# Altium PCB ASR_USB.PcbDoc
Units mil, origin at the board's own origin, x right, y up, seen from the top; angles counter-clockwise.
Board outline 1250 x 550 mil, 4 copper layers (Top Layer, Layer 1, Layer 2, Bottom Layer), stack 23.756 mil thick; 67 components, 43 nets, 231 pads, 80 vias.
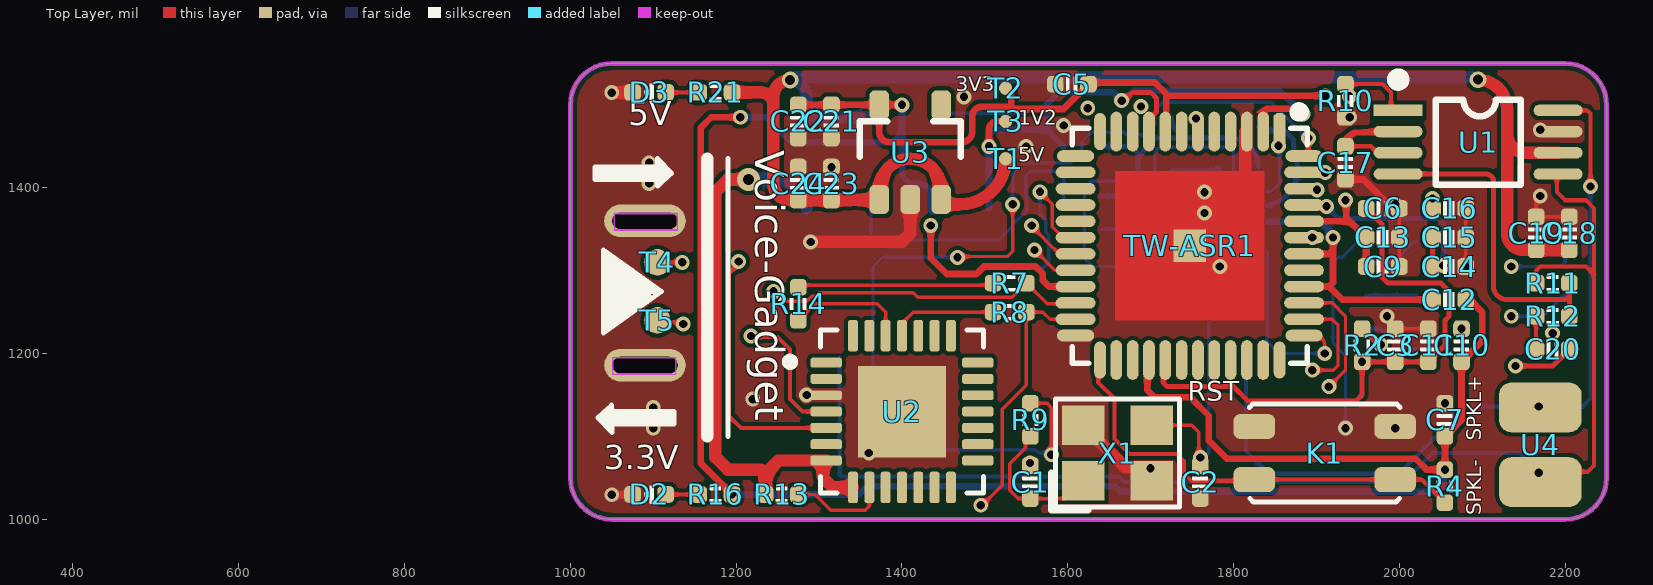
[diagram p0: Top Layer view]
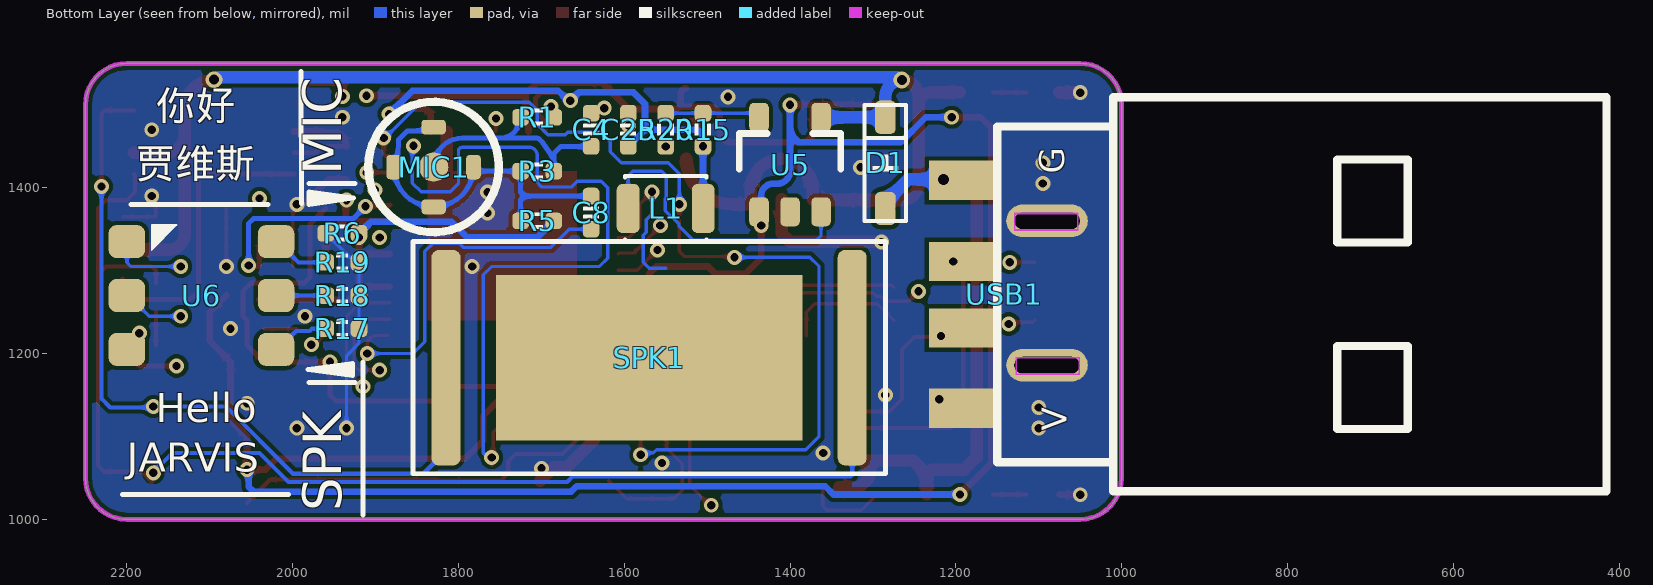
[diagram p1: Bottom Layer view, seen from below]
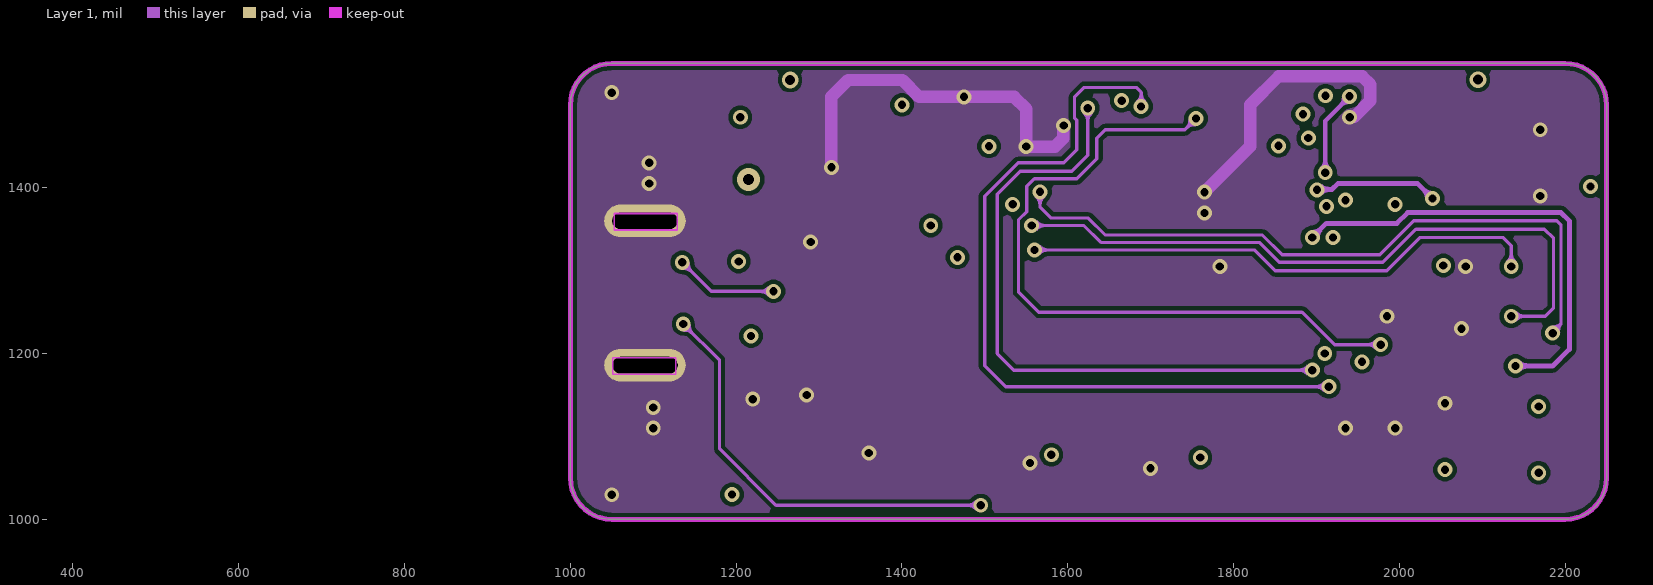
[diagram p2: Layer 1]
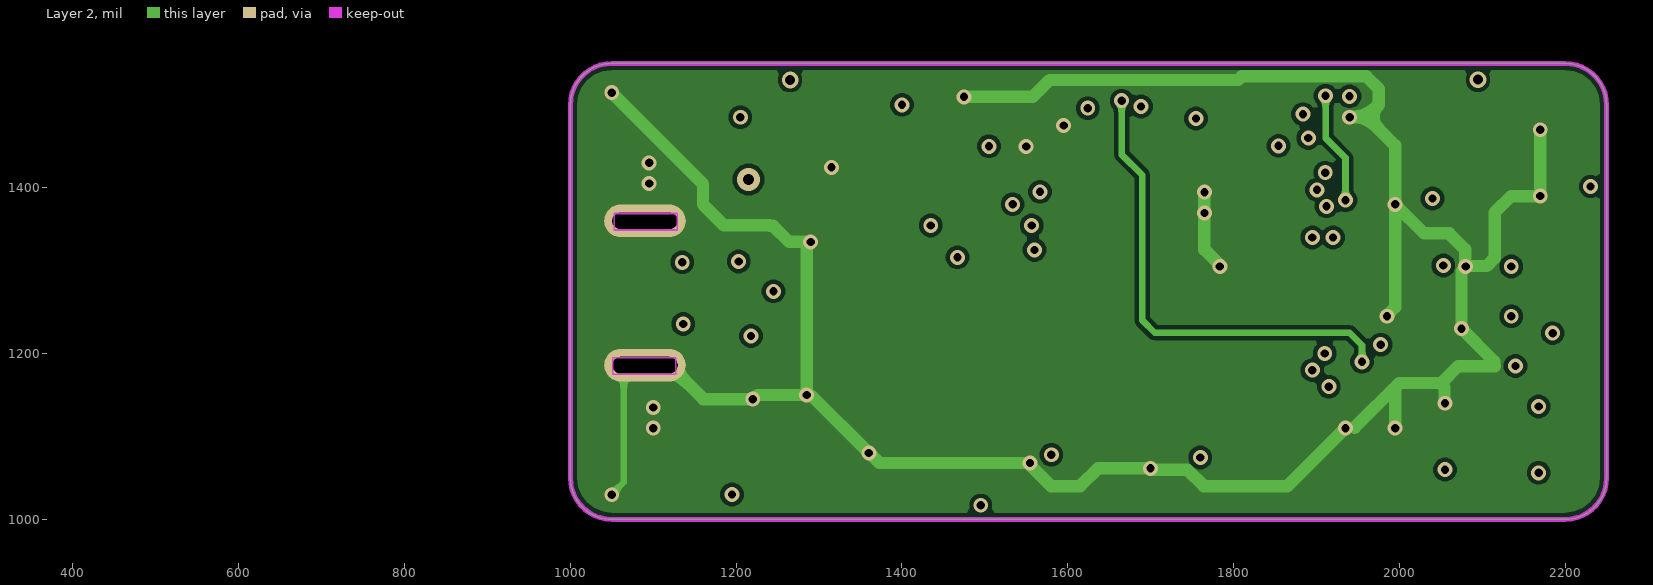
[diagram p3: Layer 2]
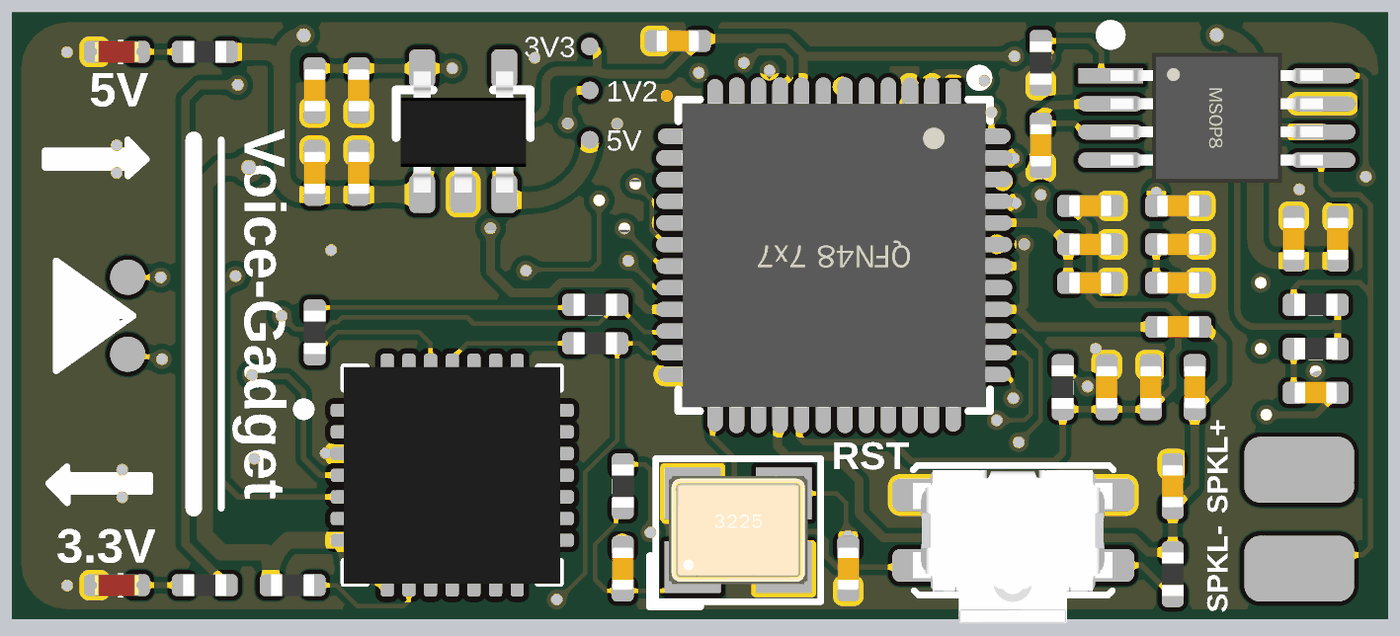
[diagram p4: 3D render of the assembled board from above, using the file's embedded part models]
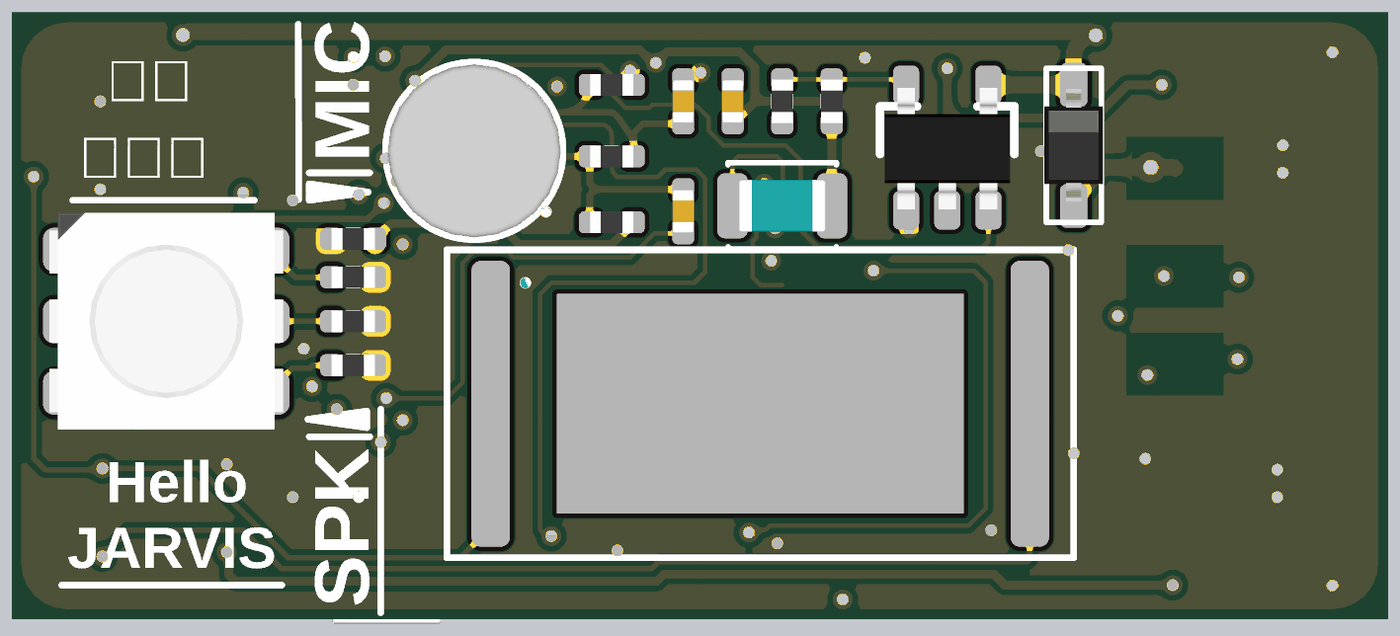
[diagram p5: 3D render of the assembled board from below, using the file's embedded part models]

## Layer stack, top to bottom
Top Solder: solder mask 0.4, Solder Resist, Dk 3.5
Top Layer: signal copper 1.4
Dielectric 2: prepreg 2.8, PP-006, Dk 4.1
Layer 1: signal copper 1.378
Dielectric 1: dielectric 12.6, FR-4, Dk 4.8
Layer 2: signal copper 1.378
Dielectric 3: prepreg 2.8, PP-006, Dk 4.1
Bottom Layer: signal copper 1.4
Bottom Solder: solder mask 0.4, Solder Resist, Dk 3.5

## Board outline
1000,1050 ccw(c1050,1050) 1050,1000 2200,1000 ccw(c2200,1050) 2250,1050 2250,1500 ccw(c2200,1500) 2200,1550 1050,1550 ccw(c1050,1500) 1000,1500

## Design rules (kind name [scope] priority, off if disabled: settings)
Clearance [All] p1: gap=5 ignorepadtopadclearanceinfootprint=FALSE
PlaneConnect [All] p1: planeconnectstyle=Direct reliefexpansion=20 reliefentries=4 reliefconductorwidth=10 reliefairgap=10
PolygonConnect [All] p1: connectstyle=Direct reliefconductorwidth=10 reliefentries=4 polygonreliefangle="90 Angle" airgapwidth=10
RoutingVias [All] p1: holewidth=28 width=50 viastyle="Through Hole" minholewidth=28 minwidth=50 maxholewidth=28 maxwidth=50
SolderMaskExpansion [All] p1: expansion=4 istentingtop=FALSE
Width [All] p1: maxlimit=25 minlimit=4 preferedwidth=8
29 further rules are at their usual default settings.

## Components (designator, comment, footprint, x,y, rotation, side; value= is the part's Value field where it differs from the comment)
C1 "22pF" CAP_0402 1555,1045 r270 top value=0.1u
C2 "22pF" CAP_0402 1760,1045 r90 top value=0.1u
C3 "100nF" CAP_0402 1995,1210 r270 top value=0.1u
C4 "100nF" CAP_0402 1640,1470 r90 bottom value=0.1u
C5 "100nF" CAP_0402 1605,1525 r0 top value=0.1u
C6 "100nF" CAP_0402 1980,1375 r180 top value=0.1u
C7 "10uF" CAP_0402 2055,1120 r270 top value=0.1u
C8 "100nF" CAP_0402 1640,1370 r270 bottom value=0.1u
C9 "100nF" CAP_0402 1980,1305 r0 top value=0.1u
C10 "100nF" CAP_0402 2075,1210 r90 top value=0.1u
C11 "100nF" CAP_0402 2035,1210 r90 top value=0.1u
C12 "4.7uF" CAP_0402 2060,1265 r180 top value=0.1u
C13 "100nF" CAP_0402 1980,1340 r0 top value=0.1u
C14 "4.7uF" CAP_0402 2060,1305 r180 top value=0.1u
C15 "100nF" CAP_0402 2060,1340 r180 top value=0.1u
C16 "4.7uF" CAP_0402 2060,1375 r180 top value=0.1u
C17 "1uF" CAP_0402 1935,1430 r270 top value=0.1u
C18 "100nF" CAP_0402 2205,1345 r90 top value=0.1u
C19 "10uF" CAP_0402 2165,1345 r90 top value=0.1u
C20 "100nF" CAP_0402 2185,1205 r0 top value=0.1u
C21 "100nF" CAP_0402 1315,1480 r270 top value=0.1u
C22 "10uF" CAP_0402 1275,1480 r270 top value=0.1u
C23 "4.7uF" CAP_0402 1315,1405 r270 top value=0.1u
C24 "4.7uF" CAP_0402 1275,1405 r90 top value=0.1u
C25 "4.7uF" CAP_0402 1595,1470 r90 bottom value=0.1u
D1 "二极管-5819W" SOD-323 1285,1430 r90 bottom
D2 "color?" LED_0402_RED 1095,1030 r180 top
D3 "color?" LED_0402_RED 1095,1515 r180 top
K1 "TACT 4P" ButtonTACT_3.5*3.55_90 1910,1080 r180 top value=3.4x3.5
L1 "2.2uH" 2520-L 1550,1375 r0 bottom
MIC1 "MIC" MIC-SMT 1830,1425 r180 bottom
R1 "2.2K" RES_0402 1705,1485 r180 bottom value=22R
R2 "2.2K" RES_0402 1955,1210 r90 top value=22R
R3 "10K" RES_0402 1705,1420 r180 bottom value=22R
R4 "470R" RES_0402 2055,1040 r90 top value=22R
R5 "2.2K" RES_0402 1705,1360 r0 bottom value=22R
R6 "0R" RES_0402 1940,1345 r180 bottom value=22R
R7 "330R" RES_0402 1530,1285 r0 top value=22R
R8 "330R" RES_0402 1530,1250 r0 top value=22R
R9 "470R" RES_0402 1555,1120 r270 top value=22R
R10 "10K" RES_0402 1935,1505 r90 top value=22R
R11 "4.7K" RES_0402 2185,1285 r0 top value=22R
R12 "4.7K" RES_0402 2185,1245 r0 top value=22R
R13 "10K" RES_0402 1255,1030 r180 top value=22R
R14 "200R" RES_0402 1275,1260 r90 top value=22R
R15 "22K" RES_0402 1505,1470 r270 bottom value=22R
R16 "2K" RES_0402 1175,1030 r0 top value=22R
R17 "2K" RES_0402 1940,1230 r180 bottom value=22R
R18 "2K" RES_0402 1940,1270 r180 bottom value=22R
R19 "2K" RES_0402 1940,1310 r180 bottom value=22R
R20 "22K" RES_0402 1550,1470 r90 bottom value=22R
R21 "5K" RES_0402 1175,1515 r0 top value=22R
SPK1 "SPK" SPK 1490,1185 r180 bottom
T1 "测试点" TEST_PT 1525,1435 r90 top
T2 "测试点" TEST_PT 1525,1520 r90 top
T3 "测试点" TEST_PT 1525,1480 r90 top
T4 "LinkPoint" TEST_PT_Point 1105,1310 r0 top
T5 "LinkPoint" TEST_PT_Point 1105,1240 r0 top
TW-ASR1 "TW-ASR" "QFN48 7X7_L" 1747.2,1330 r180 top
U1 "BL6281MM" MSOP8_M 2095,1455 r270 top
U2 "CP2102" QFN-28 1400,1130 r0 top value=Value
U3 "LN1134A332MR" SOT23-5 1410,1445 r90 top
U4 "SPK_Header" SPK_Header 2155,1090 r0 top
U5 "RY3408" SOT23-5 1400,1430 r90 bottom
U6 "RGB5050" RGB5050 2110,1270 r0 bottom
USB1 "USB" USB-plug1 415,1034 r0 bottom
X1 "12.288M/15pF" "OSC 3225-4P" 1660,1080 r0 top

## Footprints (in the part's own frame and the unit in brackets; to place one, negate y for a bottom-side part, rotate by r counter-clockwise, add the part's x,y. Pads: shape width x height; smd on the part's side, far side on the other; paste and mask are expansions set on the pad)
2520-L [mm]
  rrect50% 0.7x1.5 smd: 1(-1.15,0) 2(1.15,0)
  silkscreen extent -1.25,-1 1.25,1, body extent -1,-0.6 1,0.6, height 0.92
ButtonTACT_3.5*3.55_90 [mil]
  rrect50% 50x30 smd: 1(-85,32) 2(-85,-32) 3(85,32) 4(85,-32)
  silkscreen extent -91,-59 91,59, body extent -90,-55 91,85, height 56
CAP_0402 [mil]
  rrect50% 20x20 smd: 1(-20,0) 2(20,0)
  silkscreen extent -7,-9 7,9, body extent -20,-10 20,10, height 20
LED_0402_RED [mil]
  rrect50% 20x20 smd: 1(-20,0) 2(20,0)
  silkscreen extent -6,-10 6,10, body extent -20,-10 20,10, height 18
MIC-SMT [mm]
  rrect50% 0.45x0.75 smd: 1(-1.223,0) 1(1.223,0)
  rrect50% 0.75x0.45 smd: 1(0,-1.223) 1(0,1.223)
  round 0.9 smd: 2(0,0)
  silkscreen extent -2,-2 2,2, body extent -2,-2 2,2, height 1.35
MSOP8_M [mm] "塑封体长3mm，宽3mm，脚距0.65"
  rect 0.35x1.5 smd: 1(-0.975,-2.45)
  oval 0.35x1.5 smd: 2(-0.325,-2.45) 3(0.325,-2.45) 4(0.975,-2.45) 5(0.975,2.45) 6(0.325,2.45) 7(-0.325,2.45) 8(-0.975,2.45)
  silkscreen extent -2.07,-2.6 1.3,1.3, body extent -1.5,-2.45 1.5,2.45, height 0.95
"OSC 3225-4P" [mm] "3.2*2.5*0.7mm(长宽高)                         淘宝ID:黄晶宝石"
  rect 1.3x1.2 smd: 1(-1.05,-0.85) 2(1.05,-0.85) 3(1.05,0.85) 4(-1.05,0.85)
  silkscreen extent -2.03,-1.75 1.91,1.65, body extent -1.6,-1.25 1.6,1.25, height 0.7
"QFN48 7X7_L" [mm] "48脚，长x宽x高：7x7x1mm，脚距：0.5mm"
  oct 0.356x1.143 smd: 1(-2.75,-3.5)
  oval 0.356x1.219 smd: 2(-2.25,-3.5) 3(-1.75,-3.5) 4(-1.25,-3.5) 5(-0.75,-3.5) 6(-0.25,-3.5) 7(0.25,-3.5) 8(0.75,-3.5) 9(1.25,-3.5) 10(1.75,-3.5) 11(2.25,-3.5) 26(2.25,3.5) 27(1.75,3.5) 28(1.25,3.5) 29(0.75,3.5) 30(0.25,3.5) 31(-0.25,3.5) 32(-0.75,3.5) 33(-1.25,3.5) 34(-1.75,3.5) 35(-2.25,3.5)
  oval 0.356x1.143 smd: 12(2.75,-3.5) 25(2.75,3.5) 36(-2.75,3.5)
  oval 1.143x0.356 smd: 13(3.5,-2.75) 24(3.5,2.75) 37(-3.5,2.75) 48(-3.5,-2.75)
  oval 1.219x0.356 smd: 14(3.5,-2.25) 15(3.5,-1.75) 16(3.5,-1.25) 17(3.5,-0.75) 18(3.5,-0.25) 19(3.5,0.25) 20(3.5,0.75) 21(3.5,1.25) 22(3.5,1.75) 23(3.5,2.25) 38(-3.5,2.25) 39(-3.5,1.75) 40(-3.5,1.25) 41(-3.5,0.75) 42(-3.5,0.25) 43(-3.5,-0.25) 44(-3.5,-0.75) 45(-3.5,-1.25) 46(-3.5,-1.75) 47(-3.5,-2.25)
  rect 1x1 smd mask+0.051: 49(0,0)
  Top Layer region: -2.286,2.286 2.286,2.286 2.286,-2.286 -2.286,-2.286 -2.286,-2.159
  silkscreen extent -3.6,-4.25 3.6,3.6, body extent -3.51,-3.51 3.51,3.51, height 0.95
QFN-28 [mil]
  rrect50% 38x12 smd mask+5: 1(-91.5,59.06) 2(-91.5,39.37) 3(-91.5,19.68) 4(-91.5,0) 5(-91.5,-19.68) 6(-91.5,-39.37) 7(-91.5,-59.06) 15(91.5,-59.06) 16(91.5,-39.37) 17(91.5,-19.68) 18(91.5,0) 19(91.5,19.68) 20(91.5,39.37) 21(91.5,59.06)
  rrect50% 12x38 smd mask+5: 8(-59.06,-91.5) 9(-39.37,-91.5) 10(-19.68,-91.5) 11(0,-91.5) 12(19.68,-91.5) 13(39.37,-91.5) 14(59.06,-91.5) 22(59.06,91.5) 23(39.37,91.5) 24(19.68,91.5) 25(0,91.5) 26(-19.68,91.5) 27(-39.37,91.5) 28(-59.06,91.5)
  rect 106.3x110.24 smd: 29(0,0)
  silkscreen extent -140,-98 98,98, body extent -98,-98 98,98, height 35
RES_0402 [mil]
  rrect50% 20x20 smd: 1(-20,0) 2(20,0)
  silkscreen extent -7,-10 7,10, body extent -20,-10 20,10, height 14
RGB5050 [mil]
  rrect50% 44x40 smd: 1(-90,65) 2(90,65) 3(-90,0) 4(90,0) 5(-90,-65) 6(90,-65)
  silkscreen extent 30,-85 60,-55, body extent -106,-98 106,98, height 69
SOD-323 [mil]
  rrect50% 40x25 smd: 1(-55,0) 2(55,0)
  silkscreen extent -70,-25 70,25, body extent -51,-27 51,27, height 45
SOT23-5 [mm] "SOT23, 3-Leads, Body 3.1x3.0mm (max), Pitch 0.95mm, IPC Medium Density"
  rrect50% 0.889x0.6 smd: 1(-1.5,0.95) 2(-1.5,0) 3(-1.5,-0.95) 4(1.396,-0.95) 5(1.396,0.95)
  silkscreen extent -0.2,-1.55 0.9,1.55, body extent -1.48,-1.45 1.32,1.45, height 1.2
SPK [mil]
  rrect50% 35x260 smd: 1(-325,10) 2(165,10)
  rect 370x200 smd: ""(-80,10)
  silkscreen extent -365,-130 205,150, body extent -365,-130 205,150, height 120
SPK_Header [mil]
  rrect50% 100x60 smd: 1(15,45) 2(15,-45)
TEST_PT [mil]
  rrect100% 16x16 smd: 0(0,0.01)
TEST_PT_Point [mil]
  rrect100% 32x32 smd rot 60: 0(0,0.01)
USB-plug1 [mm]
  rect 2x1.2 smd: 1(19.761,-9.525) 2(19.761,-7.036) 3(19.761,-5.004) 4(19.761,-2.54)
  oval 2.5x1 hole 0.5 slot 2 at 0 deg: 4(17.145,-8.28) 4(17.145,-3.861)
  Keep-Out Layer lines w0.051: 16.154,-3.581 16.383,-3.581 17.932,-3.581 18.085,-3.581 18.085,-4.089 16.154,-4.089 16.154,-3.581 ; 16.205,-8.001 16.434,-8.001 17.983,-8.001 18.136,-8.001 18.136,-8.509 16.205,-8.509 16.205,-8.001
  silkscreen extent 0,-12.06 18.67,0, body extent 0.21,-12.08 20.21,-0.08, height 2.22

## Part data
C1 C2 C3 C4 C5 C6 C7 C8 C9 C10 C11 C12 C13 C14 C15 C16 C17 C18 C19 C20 C21 C22 C23 C24 C25: library part CAP-0402, "Capacitor"
D1: "40V"
D2 D3: library part LED_0402, "LED", Type=0402
K1: library part ButtonTACT, "Button", Type="TACT 4P"
L1: library part 电感-2520, "磁珠"
R1 R2 R3 R4 R5 R6 R7 R8 R9 R10 R11 R12 R13 R14 R15 R16 R17 R18 R19 R20 R21: library part RES-0402, "Resistor"
SPK1: library part 扬声器(喇叭)
U2: "USB转TTL", MFG #1="SILICON LABS", PART DESC="SINGLE-CHIP USB TO UART BRIDGE, QFN28, RoHS.", PART NUMBER=CP2102, RefDes=RefDes, Type=DEV
USB1: library part USB公头
X1: library part XTAL-4P, "4脚无源晶振", BOM名称=4脚无源晶振, 学习资源=https://shop463601444.taobao.com, 版权归属="封装库来自淘宝卖家 ID：黄晶宝石"

## Via types
v1: diameter 18, hole 10, Top Layer to Bottom Layer, tented both sides, 77 vias
v2: diameter 20, hole 12, Top Layer to Bottom Layer, tented both sides, 2 vias
v3: diameter 28, hole 13, Top Layer to Bottom Layer, tented both sides, 1 vias

## Nets (pads, with @x,y where several pads share a name; then routed paths per layer and width w, separated by ;. In a path a pad name is that pad's centre, name@x,y a point inside that pad or via, vN(x,y) a via of type N, cw(c..) or ccw(c..) an arc to the next point about the centre after c; other vN are vias at no path point)
1V2: C3.2 C6.2 C11.1 C25.1 L1.1 R2.1 R15.2 T3.0 TW-ASR1.2 TW-ASR1.9 TW-ASR1.29 | length 2019.9
  Top Layer w6: v1(1665,1505) 1668.25,1505 1678.25,1515 1700,1515 1707,1508 1707,1491.8 1695.79,1480.59 TW-ASR1.9@1695.79,1467.8 ; TW-ASR1.29@1715.47,1192.2 1715.47,1164.61 1720,1160.09 1799.91,1160.09 1817,1143 1948,1143 1955,1150 v1(1955,1190) C3.2 C11.1 2055,1210 2055,1240 2060,1245 2060,1275 2050,1285 1986,1285 1979,1292 1979,1356 C6.2
  Top Layer w8: v1(1505,1450) 1505,1470 cw(c1515,1470) 1515,1480 T3.0 ; TW-ASR1.2@1833.58,1467.8 1833.58,1486.19 cw(c1842.91,1486.19) 1842.91,1495.51 1879.49,1495.51 cw(c1879.49,1490) v1@1885,1490
  Layer 2 w8: v1(1665,1505) 1665,1439.98 1690,1414.98 1690,1240 1705,1225 1940,1225 1955,1210 v1(1955,1190)
  Bottom Layer w8: L1.1 1505,1375 v1(1505,1450) 1505,1460 cw(c1515,1460) 1515,1470 1575,1470 ; C25.1 1594.54,1450 1577,1467.54 1577,1468 1575,1470 ; v1(1883.76,1488.76) 1855.53,1516.99 1679.7,1516.99 1667.71,1505 v1(1665,1505) 1655,1515 1588.79,1515 1575,1501.21 1575,1470
3V3: C5.2 C7.2 C9.1 C10.1 C12.1 C13.1 C21.1 C22.1 R4.2 R16.2 T2.0 TW-ASR1.8 TW-ASR1.21 TW-ASR1.28 TW-ASR1.44 U3.5 U5.1 | length 3804.1
  Top Layer w8: v1(1195,1030) 1157.5,1067.5 1157.5,1472.5 1170,1485 v1(1205,1485) ; C22.1 C21.1 1372.6,1500 U3.5 1372.6,1467.4 ccw(c1385,1467.4) 1385,1455 1471.83,1455 ccw(c1471.83,1468.17) 1485,1468.17 1485,1486.58 cw(c1495.94,1486.58) 1495.94,1497.52 1531.68,1497.52 ; U3.5@1372.63,1499.97 v1(1400,1500) ; v1(1434.73,1354.57) 1434.73,1315.27 1454,1296 1489.79,1296 1498.79,1305 1561.21,1305 1570,1296.21 1570,1288.28 1577.49,1280.79 TW-ASR1.21@1607.2,1280.79 ; T2.0 cw(c1524.99,1513.31) 1531.68,1513.31 1531.68,1497.52 ; TW-ASR1.28@1695.79,1192.2 1695.79,1156.3 1705,1147.09 1747.91,1147.09 1770,1125 1770,1095 1792,1073 2019.75,1073 2032.75,1060 v1(2055,1060) C7.2 2075,1120 C10.1 2100,1215 2100,1250 C12.1@2080,1270 ; TW-ASR1.8@1715.47,1467.8 1715.47,1481.09 1719,1484.62 1719,1508.34 ; TW-ASR1.44@1882.8,1359.53 1940.47,1359.53 ; v1(1911.03,1510.99) 1721.66,1510.99 1719,1508.34 ; v1(1935,1385) 1936,1384 1936,1364 1940.47,1359.53 ; C9.1 C13.1 1940.47,1359.53 ; 1531.68,1497.52 ccw(c1540,1510) 1540,1495 1595,1495 1627,1527 1704.97,1527 1719,1512.97 1719,1508.34
  Layer 2 w8: v1(1911.03,1510.99) 1911.03,1459.98 1935,1436.01 v1(1935,1385)
  Bottom Layer w8: v1(1195,1030) 1347.58,1030 1357.58,1040 1657.49,1040 1663.99,1033.5 2047.24,1033.5 2053.09,1039.35 2053.09,1058.09 v1(2055,1060) ; v1(1205,1485) 1236.35,1485 1266.35,1455 1390,1455 1400,1465 ; v1(1400,1500) 1400,1465 ; U5.1 cw(c1437.4,1373.35) 1435,1373.35 1435,1390 ccw(c1420,1390) 1420,1405 1415,1405 cw(c1415,1420) 1400,1420 1400,1465
5V: C18.1 C19.1 C23.2 C24.1 D1.2 R21.2 T1.0 U1.6 U3.1 U3.3 U5.4 | length 1919.7
  Top Layer w15: R21.2 1230,1515 cw(c1230,1500) 1245,1500 ; v2(1265,1530) ccw(c1265,1510) 1245,1510 1245,1500 ; T1.0 cw(c1469.99,1435) 1469.99,1380 1451.71,1380 U3.3 1447.4,1397.6 ccw(c1410,1397.6) 1410,1435 ccw(c1410,1397.6) 1372.6,1397.6 U3.1 1372.13,1385.47 1315.47,1385.47 C23.2 C24.1 1265,1385 cw(c1265,1405) 1245,1405 1245,1500 ; v2@2095,1530 cw(c2095,1495) 2130,1495 2130,1465 ; U1.6 2152.8,1442.2 cw(c2152.8,1465) 2130,1465 ; C18.1 C19.1 2150,1325 cw(c2150,1345) 2130,1345 2130,1465
  Bottom Layer w15: U5.4 1362.6,1485 D1.2 1285,1510 ccw(c1265,1510) v2(1265,1530) 1266.35,1530 1269.85,1533.49 2090.36,1533.49 2093.5,1530.35 v2(2094.86,1530.35)
AGND: C12.2 R5.1 R6.2 TW-ASR1.40 TW-ASR1.42 | length 525.7
  Top Layer w8: TW-ASR1.40@1882.8,1280.79 1915.31,1280.79 ; TW-ASR1.42@1882.8,1320.16 1915.16,1320.16 1920,1325 ; v1(1920,1340) 1920,1325 ; C12.2 1931.1,1265 1915.31,1280.79 ; 1915.31,1280.79 1920,1285.47 1920,1325
  Bottom Layer w8: R5.1 1705,1340 1789.34,1340 1808.33,1358.99 1905.47,1358.99 1920,1344.46 v1(1920,1340)
B: TW-ASR1.18 U6.2 | length 1023
  Top Layer w4: v1(1566.5,1395) 1581.33,1380.17 1581.33,1368.65 1581.33,1368.6 1581.17,1356.39 1581.17,1353.08 1594.41,1339.84 TW-ASR1.18@1607.2,1339.84
  Layer 1 w4: v1(1566.5,1395) 1566.5,1376.97 1580,1363.46 1624.54,1363.46 1645,1343 1834.73,1343 1858.73,1319 1976.27,1319 2017.27,1360 2190,1360 2195,1355 2195,1235.74 2184.88,1225.62 v1(2184.88,1224.65)
  Bottom Layer w4: 1550,1303 1570,1303 1577,1310 1577,1342.69 1573.5,1346.19 1573.5,1361.5 1566.5,1368.5 v1(1566.5,1395)
G: TW-ASR1.20 U6.6 | length 780.5
  Top Layer w4: v1(1560,1325) 1584.53,1300.47 TW-ASR1.20@1607.2,1300.47
  Layer 1 w4: v1(1560,1325) 1825,1325 1850,1300 1985,1300 2025,1340 2125,1340 2135,1330 v1(2135,1305)
  Bottom Layer w4: v1(2135,1305) 2195,1305 2200,1310 U6.6
GND: C1.1 C2.1 C3.1 C5.1 C6.1 C7.1 C9.2 C10.2 C11.2 C13.2 C14.1 C15.1 C16.1 C17.2 C18.2 C19.2 C21.2 C22.2 C23.1 C24.2 C25.2 D2.2 D3.2 K1.2 K1.4 R6.1 R10.1 R17.2 R18.2 R19.2 R20.1 TW-ASR1.3 TW-ASR1.24 TW-ASR1.49 U1.7 U2.3 U2.29 U3.2 USB1.4 X1.2 X1.4 | length 5233.2
  Top Layer w4: C3.1 C11.2 ; C9.2 C13.2 C6.1 ; v1(2080,1305) C15.1 C16.1 ; v1(2170,1390) 2165,1385 C19.2 C18.2
  Top Layer w8: v1(1049.88,1029.65) 1050.06,1029.82 1074.82,1029.82 D2.2 ; C17.2 1956.92,1410 1986.54,1380.38 1994.62,1380.38 v1(1995,1380)
  Top Layer w15: v1(1049.88,1514.65) 1050.06,1514.82 1074.82,1514.82 D3.2 ; v1(1289.88,1334.65) 1399.65,1334.65 1410,1345 U3.2 ; X1.4 1620.63,1113.46 1636.75,1097.34 1636.75,1095.34 1669.43,1062.66 1685.22,1062.66 X1.2 ; TW-ASR1.49@1745,1330 1757.19,1342.19 1757.19,1361.14 1764.88,1368.83 v1(1764.88,1369.65) ; v1(1764.88,1394.65) 1765.46,1395.22 1795.22,1395.22 1813.9,1413.9 TW-ASR1.3@1813.9,1467.8
  Layer 1 w4: v1(1549.88,1449.65) v1@1550,1449.76
  Layer 1 w15: v1(1314.88,1424.65) 1314.88,1509.88 1335,1530 1400.41,1530 1420.76,1509.65 v1(1474.88,1509.65) 1535.35,1509.65 1550,1495 v1@1550,1449.76 ; v1(1549.88,1449.65) 1584.65,1449.65 1594.43,1459.43 1594.43,1474.43 v1(1595,1475) ; v1(1764.88,1394.65) 1820,1449.76 1820,1500 1854.5,1534.5 1955,1534.5 1965,1524.5 1965,1505 1945.57,1485.57 1940.57,1485.57 v1(1940,1485)
  Layer 2 w8: v1(1049.88,1029.65) 1049.88,1030.16 1064.47,1044.75 1064.47,1171.51 1078.96,1186 USB1.4@1090,1186
  Layer 2 w15: v1(1049.88,1514.65) 1160,1404.53 1160,1380 1185.35,1354.65 1239.88,1354.65 1240.46,1354.07 1244.65,1354.07 1264.07,1334.65 v1(1289.88,1334.65) 1289.88,1333.83 1285,1328.95 v1(1285,1150) ; USB1.4@1090,1186 1119.53,1186 1160.53,1145 v1(1220,1145) 1220.81,1145 1225.81,1150 v1(1285,1150) ; v1(1474.88,1509.65) 1557.67,1509.65 1578.02,1530 1805.5,1530 1810,1534.5 1960,1534.5 1975,1519.5 1975,1500 1960.57,1485.57 ; v1(1554.46,1068) 1372.81,1068 1360.81,1080 v1(1360,1080) 1290.57,1149.43 1285.57,1149.43 v1(1285,1150) ; v1@1555,1065 1580,1040 1615,1040 1636.5,1061.5 v1(1699.88,1061.5) ; v1@1699.88,1059.65 1744.48,1059.65 1764.12,1040 1865,1040 v1(1935,1110) ; v1(1764.88,1394.65) 1764.88,1325.46 1782.93,1307.41 1782.93,1305.57 v1(1783.5,1305) ; v1(1940,1485) 1940.57,1485.57 1960.57,1485.57 ; 1946.01,1110.57 1999.88,1164.45 ; v1(1985,1245) 1985,1245.81 1995,1255.81 v1(1995,1380) ; v1(1995,1110) 1995,1158.75 1999.88,1163.64 1999.88,1164.45 ; v1(2055,1140) 2054.43,1140.57 2054.43,1159.09 2049.88,1163.64 2049.88,1164.45 ; v1(2170,1470) v1(2170,1390) 2135,1390 2115,1370 2115,1315 2105.57,1305.57 2080.57,1305.57 v1(2080,1305) ; 1960.57,1485.57 1995,1451.15 v1(1995,1380) ; v1(1995,1380) 2030,1345 2060,1345 2079.43,1325.57 2079.43,1305.57 v1(2080,1305) ; 1999.88,1164.45 2049.88,1164.45 ; 2049.88,1164.45 2050.69,1164.45 2070.89,1184.65 2114.88,1184.65 2114.31,1185.22 2114.31,1190.69 v1(2075,1230) 2075,1299.19 2080,1304.19 v1(2080,1305)
  Bottom Layer w4: v1(1935,1110) 1935,1197.63 1920,1212.63 R17.2 R18.2 R19.2 1926.15,1316.15 1931.15,1316.15 R6.1
  other v1: 1100,1110 1100,1135 1095,1405 1095,1430
HPOUT_L: C20.2 TW-ASR1.43 | length 628.1
  Top Layer w6: v1(2140,1185) 2185,1185 C20.2
  Layer 1 w6: v1(1895,1340) 1912,1357 1997,1357 2010,1370 2195,1370 2205,1360 2205,1205 2185,1185 v1(2140,1185)
MIC_L+: C4.1 MIC1.2 R1.1 R3.2 | length 286.4
  Bottom Layer w6: C4.1 1640.31,1449.69 1676.52,1449.69 1685,1441.21 1685,1435 ; R3.2 1685,1435 ; R1.1 ccw(c1750,1485) 1750,1460 ; MIC1.2 ccw(c1795,1425) 1795,1460 1750,1460 ; 1685,1435 1698.98,1455.1 1702.5,1458.61 cw(c1706.34,1454) 1706.3,1460 1750,1460
MIC_L-: C8.1 MIC1.1 R3.1 R5.2 | length 435.9
  Bottom Layer w6: C8.1 1720,1390 ; R5.2 1725,1385 1720,1390 ; MIC1.1@1830,1473.15 1840.33,1468.72 1861.76,1468.54 1872.31,1458 1872.31,1452.45 1873.72,1435.34 1878.15,1425 cw(c1830,1425) 1830,1376.85 cw(c1830,1425) 1781.85,1425 1776.85,1420 R3.1 1725,1395 1720,1390
MICBIAS: R1.2 TW-ASR1.39 | length 1086.1
  Top Layer w4: TW-ASR1.39@1882.8,1261.1 1918.9,1261.1 1935,1245 1935,1180 v1(1915,1160)
  Layer 1 w4: v1(1688.38,1498) 1688.66,1498.28 1688.66,1515 1682.66,1521 1620,1521 1608.11,1509.11 1608.11,1484.52 1611,1481.63 1611,1446 1595,1430 1540,1430 1500,1390 1500,1185 1525,1160 v1(1915,1160)
MICN_L: C8.2 TW-ASR1.37 | length 441.6
  Top Layer w4: TW-ASR1.37 1898.27,1221.73 cw(c1898.27,1210) 1910,1210 v1(1910,1200)
  Bottom Layer w4: C8.2 1666.62,1350 1688.62,1328 1794.31,1328 1799.31,1333 1830.69,1333 1840.5,1323.19 1840.5,1214.5 1855,1200 v1(1910,1200)
MICP_L: C4.2 TW-ASR1.38 | length 893.7
  Top Layer w4: TW-ASR1.38@1882.8,1241.42 1918.58,1241.42 1926,1234 1926,1186 1920,1180 v1(1895,1180)
  Layer 1 w4: v1(1624.11,1496) 1624.11,1439.11 1605,1420 1542.73,1420 1515,1392.27 1515,1200 1535,1180 v1(1895,1180)
NetC2_2: C2.2 TW-ASR1.1 X1.3 | length 951.5
  Top Layer w4: X1.3 1749.54,1113.46 1758,1105 1758,1067 C2.2
  Bottom Layer w4: v1@1760,1070 1770,1080 1770,1295 1760,1305 1630,1305 1620,1315 1620,1400 1628,1408 1656.5,1408 1663.5,1401 1698.34,1401 ccw(c1698.32,1405) 1700.5,1401.65 ccw(c1695,1410) 1705,1410 1705,1439 cw(c1715,1439) 1715,1449 1794.59,1449 cw(c1794.59,1445) 1795.78,1448.82 1797.19,1448.38 cw(c1796,1444.56) 1800,1444.56 1800,1405 1810,1395 1845,1395 1855.72,1405.72 1855.72,1449.13 v1(1854.31,1450.54)
  other v1: 1759.88,1074.65
NetC14_2: C14.2 C15.2 TW-ASR1.45 | length 278.8
  Top Layer w6: TW-ASR1.45@1882.8,1379.21 1883.53,1378.48 1911.13,1378.48 v1(1912.08,1377.53) ; C15.2 C14.2 2040.56,1305.56 2052.46,1305.56 v1(2053.03,1306.13)
  Bottom Layer w6: v1(1912.08,1377.53) 1926.61,1363 2047,1363 2053.03,1356.97 v1(2053.03,1306.13)
NetC16_2: C16.2 TW-ASR1.46 | length 149.9
  Layer 1 w6: v1(1900.65,1397.49) 1901.11,1397.95 1918.65,1397.95 1925.71,1405 2022,1405 v1(2040,1387)
NetC17_1: C17.1 U1.2 U1.3 | length 140.2
  Top Layer w5: C17.1 1965.73,1450 1973.53,1442.2 U1.3
  Top Layer w8: C17.1 C17.1@1935.73,1455 ; C17.1@1935.73,1455.05 cw(c1952.8,1450) 1943.32,1465.06 cw(c1947.56,1458.28) 1944.91,1465.83 ccw(c1940,1480) 1946.12,1466.3 1975.91,1467.8 U1.2
NetC20_1: C20.1 R12.1 | length 40
  Top Layer w5: C20.1@2165,1210 R12.1@2165,1250
NetD2_1: D2.1 R16.1 | length 40
  Top Layer w5: D2.1 R16.1
NetD3_1: D3.1 R21.1 | length 40
  Top Layer w5: D3.1 R21.1
NetL1_2: L1.2 U5.3 | length 367.1
  Bottom Layer w4: U5.3 1362.6,1342.4 1367.93,1337.07 1517.38,1337.07 1533.94,1353.63 1533.94,1355.95 1550.5,1372.51 1550.5,1386.95 1549.5,1387.96 1549.5,1414.5 1555,1420 1590,1420 1595.28,1414.72 L1.2
NetR2_2: R2.2 TW-ASR1.6 | length 900
  Top Layer w4: TW-ASR1.6@1754.84,1467.8 TW-ASR1.6@1754.84,1489.84 ; R2.2 1974.31,1210.69 v1(1977.5,1210.69)
  Layer 1 w4: v1(1754.73,1483.46) 1741.26,1470 1645,1470 1635,1460 1635,1435 1611,1411 1559.87,1411 1550.5,1401.63 1550.5,1371.09 1540.5,1361.09 1540.5,1274.5 1565,1250 1882.63,1250 1921.94,1210.69 v1(1977.5,1210.69)
NetR9_1: R9.1 TW-ASR1.48 | length 1239.9
  Top Layer w4: v1(1467,1316) 1468,1317 1527,1317 1533.5,1323.5 v1(1533.5,1380) ; R9.1 1575,1140 1580.21,1134.79 v1(1580.21,1077.87)
  Top Layer w5: TW-ASR1.48@1882.8,1438.27 1887.76,1438.27 1890,1440.5 1890.19,1440.5 v1(1890.19,1460.02)
  Bottom Layer w4: v1(1467,1316) 1376,1316 1365,1305 1365,1100 1381,1084 1561.09,1084 1564.76,1080.33 1577.76,1080.33 v1(1580.21,1077.87) ; v1(1533.5,1380) 1533.5,1416.75 1546.75,1430 1603.38,1430 1617.06,1443.67 1617.06,1455.44 1626.62,1465 1628.03,1465 1630.03,1467 1668,1467 1671,1464 1692.38,1464 1705,1476.62 1705,1493.38 1714.62,1503 1845.48,1503 1877.31,1471.18 1879.65,1468.83 v1(1890.19,1460.02)
NetR11_2: R11.2 R12.2 U1.4 | length 386.4
  Top Layer w6: U1.4 2103.39,1416.61 cw(c2103.39,1405) 2111.93,1412.87 cw(c2107.5,1408.82) 2113.5,1408.85 2113.5,1281.5 ccw(c2130,1281.5) 2130,1265 2197.5,1265 ccw(c2197.5,1272.5) 2205,1272.5 ; 2205,1255 2205,1270 2205,1272.5 ; R11.2@2205,1290 2205,1272.5
NetR13_1: R13.1 U2.9 | length 118.3
  Top Layer w4: R13.1 1295,1030 1314,1011 1356,1011 1360.63,1015.63 U2.9
NetR14_1: R14.1 U2.26 | length 146.1
  Top Layer w4: R14.1 1295,1260 1370,1260 1380.32,1249.68 U2.26
NetR15_1: R15.1 R20.2 U5.5 | length 114.7
  Bottom Layer w4: U5.5 1442.46,1490 R15.1 R20.2
NetR17_1: R17.1 U6.1 | length 70.4
  Bottom Layer w5: R17.1 1976.67,1230 1979.29,1227.37 1995.63,1227.37 2018,1205 U6.1
NetR18_1: R18.1 U6.3 | length 60
  Bottom Layer w5: R18.1 U6.3
NetR19_1: R19.1 U6.5 | length 70.4
  Bottom Layer w5: R19.1 1993,1310 2018,1335 U6.5
R: TW-ASR1.19 U6.4 | length 949
  Top Layer w4: v1(1556.5,1354.46) 1556.5,1353.5 1588.72,1321.28 1606.09,1321.28 TW-ASR1.19@1607.2,1320.16
  Layer 1 w4: v1(1556.5,1354.46) 1619.54,1354.46 1640,1334 1831,1334 1855,1310 1980,1310 2020,1350 2175,1350 2186,1339 2186,1255 2176,1245 v1(2135,1245)
  Bottom Layer w4: v1(2135,1245) 2173,1245 2198,1270 U6.4
RST: K1.1 K1.3 R4.1 TW-ASR1.25 | length 543.4
  Top Layer w5: TW-ASR1.25@1636.73,1192.2 1636.73,1165.22 1656.37,1145.59 1656.37,1096.93 1674.64,1078.66 1731.34,1078.66 1740,1070 1740,1055.91 1749.41,1046.5 1823.5,1046.5 K1.3 K1.1 2027,1048 R4.1
RX: R7.2 T4.0 TW-ASR1.22 | length 546.2
  Top Layer w4: T4.0 v1(1135,1310) ; v1(1245,1275) 1257,1263 1284.97,1263 1290.97,1269 1295.5,1269 1300,1273.5 1413.75,1273.5 1419.25,1268 1533,1268 R7.2 1575,1260 1606.1,1260 TW-ASR1.22@1607.2,1261.1
  Layer 1 w4: v1(1135,1310) 1170,1275 v1(1245,1275)
SPK: R10.2 TW-ASR1.47 U1.1 | length 227
  Top Layer w5: TW-ASR1.47@1882.8,1418.58 1882.98,1418.4 1910.42,1418.4 v1(1910.6,1418.22) ; v1(1939.8,1510.2) 1937.4,1512.6 1937.4,1522.37 1937.51,1522.49 R10.2 1980,1525 1990,1515 U1.1@1990,1496.16
  Layer 1 w5: v1(1910.6,1418.22) 1910.6,1480.6 1939.8,1509.8 v1(1939.8,1510.2)
  Bottom Layer w5: v1@1910.53,1418.3 v1(1910.6,1418.22)
SPKL+: SPK1.1 U1.8 U4.1 | length 960.1
  Top Layer w5: U1.8 2226.61,1493.39 2230.53,1489.47 v1(2230.53,1401.6)
  Bottom Layer w5: SPK1.1 1815,1082.5 1842.5,1055 1999.44,1055 2080.57,1136.13 v1(2168.03,1136.13) ; v1@2170,1135 2220,1135 2230.53,1145.53 v1(2230.53,1401.6)
SPKL-: R11.1 SPK1.2 U1.5 U4.2 | length 1564.9
  Top Layer w5: R11.1 2165,1300 2170,1305 2225,1305 2235,1295 ; U4.2 2182.5,1057.5 2227.5,1057.5 2235,1065 2235,1295 ; U1.5 2190,1415.16 2190,1395 2200,1385 2225,1385 2235,1375 2235,1295
  Bottom Layer w5: SPK1.2 1325,1053.42 1326.92,1051.5 1662.25,1051.5 1668.75,1045 2005,1045 2040,1080 2145,1080 v1@2170,1055
  other v1: 2168.03,1056.13
TX: R8.2 T5.0 TW-ASR1.23 | length 862.6
  Top Layer w4: T5.0 1107.21,1237.8 1133.96,1237.8 v1(1136.17,1235.59) ; v1(1495,1017) 1497,1017 1521,1041 1521,1132.97 1550,1161.97 R8.2 1570,1250 1578.58,1241.42 TW-ASR1.23@1607.2,1241.42
  Layer 1 w4: v1(1136.17,1235.59) 1180,1191.76 1180,1085 1248,1017 v1(1495,1017)
UART0_RX: R7.1 R14.2 | length 237.1
  Top Layer w4: R14.2 1277.5,1282.5 1507.5,1282.5 R7.1
UART0_TX: R8.1 U2.25 | length 130.5
  Top Layer w4: U2.25 1403.38,1224.88 1403.38,1239.75 1413.63,1250 R8.1
USB_DM_CP: U2.5 USB1.2 | length 314.4
  Top Layer w5: v1@1205,1310 1191,1296 1191,1125 1205.68,1110.32 U2.5
  other v1: 1203.03,1311.13
USB_DP_CP: U2.4 USB1.3 | length 160.9
  Top Layer w5: v1@1220,1220 1250,1220 1265,1205 1265,1145 1280,1130 U2.4
  other v1: 1218.03,1221.13
VBUS: D1.1 R13.2 U2.7 U2.8 USB1.1 | length 713.2
  Top Layer w15: v3(1215,1410) 1190,1410 1175,1395 1175,1075 1190,1060 1230,1060 1235,1055 ; R13.2 1235,1055 ; U2.7 U2.7@1306.5,1070.94 ; U2.8 1316.5,1038.5 1305,1050 1305,1069.44 U2.7@1306.5,1070.94 ; 1235,1055 1250.94,1070.94 U2.7@1306.5,1070.94
  Bottom Layer w15: USB1.1 1194,1410 1257.5,1410 1285,1382.5 D1.1
XTAL_1: C1.2 R9.2 X1.1 | length 177.1
  Top Layer w4: R9.2 1548.85,1093.85 1548.85,1085.82 1530,1066.97 1530,1035 1540,1025 C1.2 1597.13,1025 X1.1
pads on no net: SPK1. TW-ASR1.4 TW-ASR1.5 TW-ASR1.7 TW-ASR1.10 TW-ASR1.11 TW-ASR1.12 TW-ASR1.13 TW-ASR1.14 TW-ASR1.15 TW-ASR1.16 TW-ASR1.17 TW-ASR1.26 TW-ASR1.27 TW-ASR1.30 TW-ASR1.31 TW-ASR1.32 TW-ASR1.33 TW-ASR1.34 TW-ASR1.35 TW-ASR1.36 TW-ASR1.41 U2.1 U2.2 U2.6 U2.10 U2.11 U2.12 U2.13 U2.14 U2.15 U2.16 U2.17 U2.18 U2.19 U2.20 U2.21 U2.22 U2.23 U2.24 U2.27 U2.28 U3.4 U5.2

## Polygon pours and split planes (outlines as drawn)
GND on Layer 1 "GND_L02_P000" (solid, pour order 0): 1000,1050 1000,1500 cw(c1050,1500) 1050,1550 2200,1550 cw(c2200,1500) 2250,1500 2250,1050 cw(c2200,1050) 2200,1000 1050,1000 cw(c1050,1050)
GND on Top Layer "GND_L01_P001" (solid, pour order 1): 1000,1050 ccw(c1050,1050) 1050,1000 2200,1000 ccw(c2200,1050) 2250,1050 2250,1500 ccw(c2200,1500) 2200,1550 1050,1550 ccw(c1050,1500) 1000,1500
GND on Layer 2 "GND_L03_P002" (solid, pour order 2): 1000,1050 ccw(c1050,1050) 1050,1000 2200,1000 ccw(c2200,1050) 2250,1050 2250,1500 ccw(c2200,1500) 2200,1550 1050,1550 ccw(c1050,1500) 1000,1500
GND on Bottom Layer "GND_L04_P003" (solid, pour order 3): 1000,1050 ccw(c1050,1050) 1050,1000 2200,1000 ccw(c2200,1050) 2250,1050 2250,1500 ccw(c2200,1500) 2200,1550 1050,1550 ccw(c1050,1500) 1000,1500

## Keep-outs
Keep-Out Layer:
  the board outline again, w6

## Silkscreen, mask and mechanical layers (free items; w line width, h text height)
Top Overlay:
  lines w6: 1030,1421.25 1102.94,1421.52 1115.61,1421.49 ; 1032.05,1413.19 1104.99,1413.46 ; 1039.39,1118.51 1052.06,1118.48 1125,1118.75 ; 1039.86,1126.73 1050.01,1126.54 ; 1040,1275 1110,1275 ; 1041.42,1130.14 1050.01,1126.54 ; 1045,1230 1045,1320 ; 1050,1110 1041.54,1113.78 1050,1118.48 ; 1050,1235 1050,1315 ; 1055,1240 1055,1310 ; 1059.12,1307.64 1060.59,1241.2 ; 1065,1245 1065,1305 ; 1069.83,1249.15 1070.7,1301.39 ; 1075,1250 1075,1300 ; 1079.54,1293.45 1080.32,1255.58 ; 1085,1290 1085,1260 1095,1270 1085,1275 1090,1265 ; 1085.73,1280.21 1100,1280 ; 1086.42,1285.52 1092.87,1280.1 ; 1105,1421.52 1113.46,1426.22 1105,1430 ; 1115.14,1413.27 1104.99,1413.46 ; 1122.95,1126.81 1050.01,1126.54 ; 1125,1122.5 1050,1122.5 1033.08,1122.57 ; 1190,1100 1190,1435 ; 1030,1425 1030,1417.5 1105,1417.5 1121.92,1417.43 ; 1030,1425 1030,1410 1105,1410 ; 1030,1425 1105,1425 ; 1033.08,1122.57 1050,1105 1050,1115 1125,1115 1125,1130 1050,1130 1049.77,1137.72 1033.08,1122.57 ; 1105,1410 1113.58,1409.86 1104.99,1413.46 ; 1105,1410 1105.23,1402.28 1121.92,1417.43 ; 1105,1410 1105,1425 ; 1105,1425 1105,1435 1121.92,1417.43 ; 1110,1275 1040,1225 1040,1325 1110,1275
  lines w15: 1165,1100 1165,1435
  text "3V3" at 1465,1510.33 h30
  text "1V2" at 1540,1470 h30
  text "5V" at 1070,1465.55 h50
  text "Voice-Gadget" at 1211.31,1445 h60 r270
  text "5V" at 1540,1425.33 h30
  text "RST" at 1745,1135.48 h40
  text "SPKL+" at 2104.64,1095 h30 r90
  text "3.3V" at 1040,1050.55 h50
  text "SPKL-" at 2104.64,1005 h30 r90
Bottom Overlay:
  lines w6: 1915,1005 1915,1190 ; 1925,1165 1980,1165 ; 1925,1405 1980,1405 ; 1927.69,1180.79 1981.2,1180.87 ; 1945,1180 1927.69,1173.29 ; 1962.69,1388.29 1980,1395 ; 1980,1387.5 1926.49,1387.42 ; 1989.53,1380.82 1990,1540 ; 2005,1030 2205,1030 ; 2030,1380 2195,1380 ; 1926.49,1387.42 1980,1380 ; 1926.49,1387.42 1980,1395 ; 1927.69,1173.29 1981.2,1180.87 ; 1927.69,1173.29 1927.69,1188.29 ; 1927.69,1173.29 1937.69,1183.29 1927.69,1188.29 ; 1927.69,1188.29 1981.2,1180.87 ; 1980,1380 1970,1385 1980,1395 ; 1980,1380 1980,1395 ; 1980,1380 1980,1395
  text "你好" at 2165,1470.34 h60
  text "MIC" at 1925.88,1415 h80 r270
  text "贾维斯" at 2189.97,1400.34 h60
  text "Hello" at 2165,1105.63 h60
  text "JARVIS" at 2200,1045.72 h60
  text "SPK" at 1925.96,1010 h80 r270

## Text inside footprints (layer, text, board x,y; h text height)
USB1: Bottom Overlay "V" at 1066,1107 h30 r270; Bottom Overlay "G" at 1069,1417 h30 r270